# Altium PCB A车主控四层板V1.0.PcbDoc (part 1 of 2) (continued)
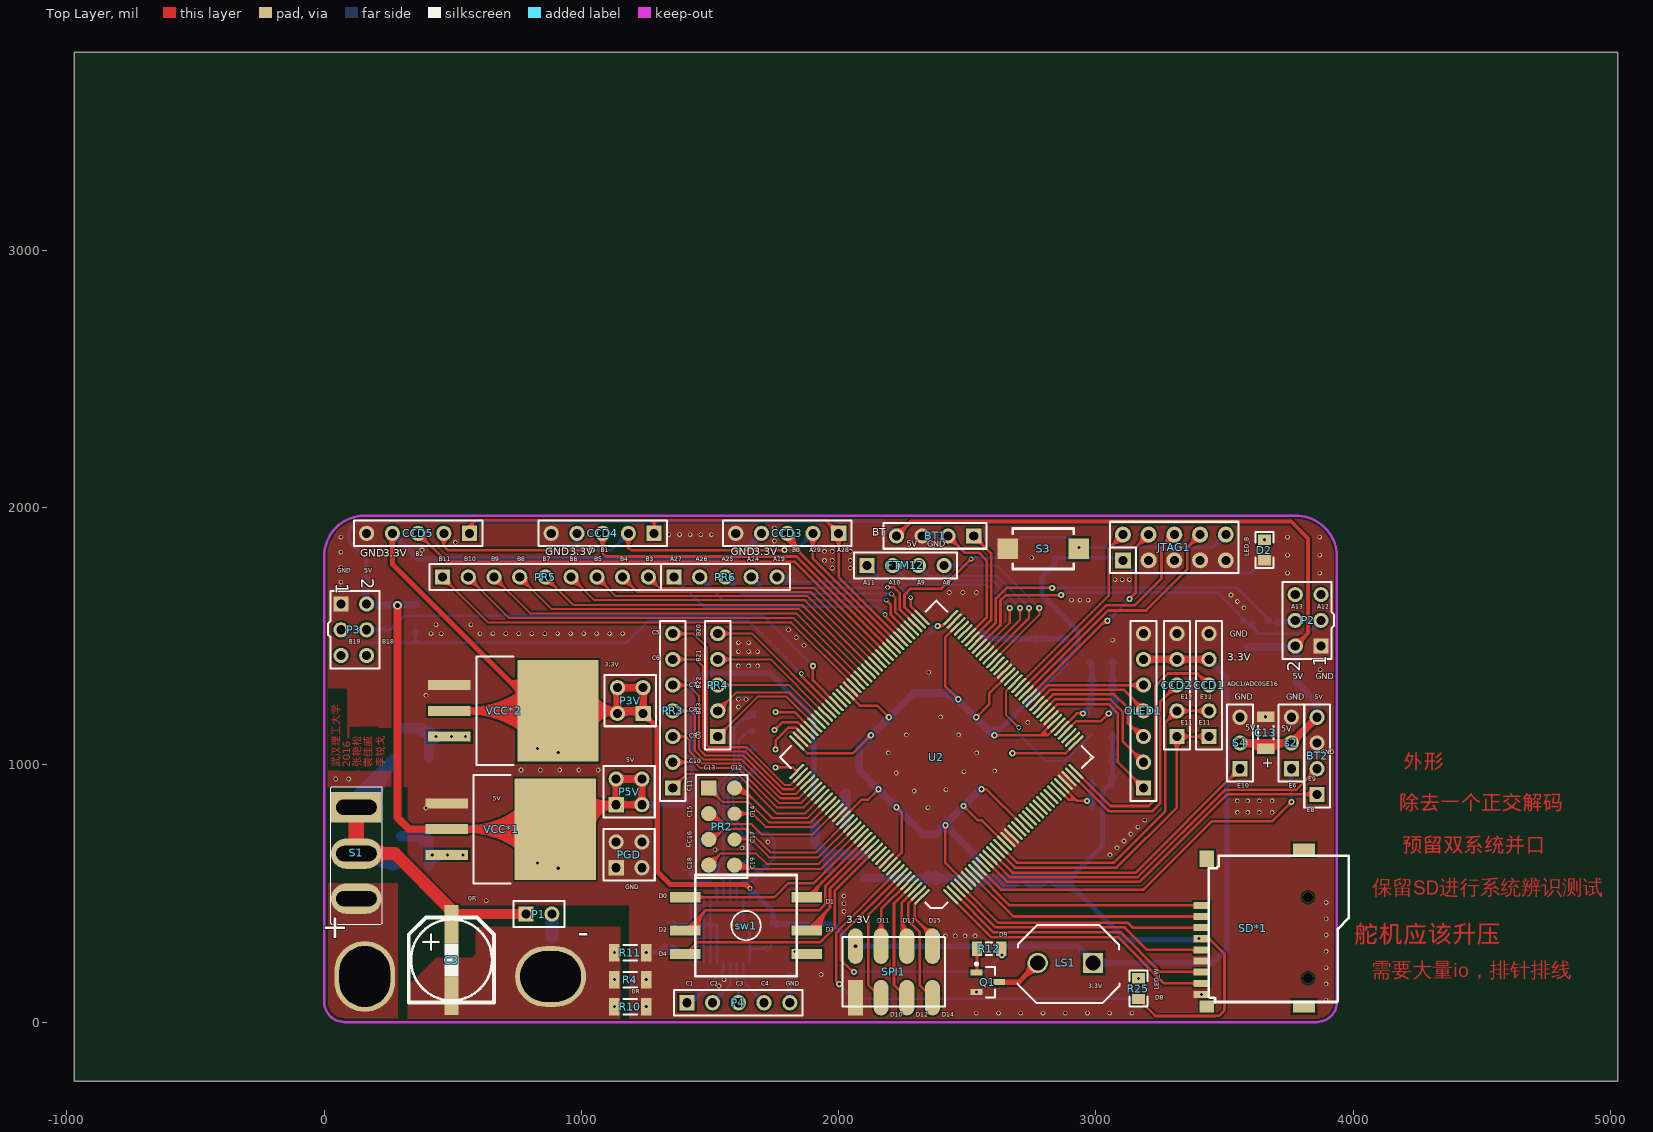
[diagram p0: Top Layer view]
## Nets (pads, with @x,y where several pads share a name; then routed paths per layer and width w, separated by ;. In a path a pad name is that pad's centre, name@x,y a point inside that pad or via, vN(x,y) a via of type N, cw(c..) or ccw(c..) an arc to the next point about the centre after c; other vN are vias at no path point) (continued)
  Bottom Layer w20: CCD5.4@265,1880.47 cw(c265,1833.33) 298.34,1866.66 cw(c331.67,1900) CCD5.4@284.53,1900 ; CCD5.4@265,1900 365,1800 962.5,1800 ; CCD4.4@968.69,1886.19 cw(c935.36,1852.86) 982.5,1852.86 cw(c1029.64,1852.86) CCD4.4@996.31,1886.19 ; CCD4.4@982.5,1900 982.5,1820 ; 1005,1800 1002.5,1800 ; IC1.20@1656.7,496.45 ccw(c1642.24,507.24) v1(1655,520) 1665,510 1745,430 C18.1@1745,386.26 ; CCD3.4@1680.47,1900 cw(c1633.33,1900) 1666.66,1866.66 cw(c1700,1833.33) CCD3.4@1700,1880.47 ; CCD3.4@1700,1900 1600,1800 1002.5,1800 ; C18.1@1740,381.26 1978.74,381.26 v4(2065,295) 2930,295 LS1.1A@2992.01,232.99 ; 1745,413.96 ccw(c1781.55,413.96) 1755.71,388.11 ccw(c1772.24,404.64) 1772.24,381.26 ccw(c1772.24,357.88) C18.1@1755.71,374.41 ; 2934.46,290.54 cw(c2873.83,229.92) LS1.1A@2959.57,229.92 ; 2949.28,275.72 ccw(c2988.94,315.37) LS1.1A@2988.94,259.29 ; LS1.1A@2988.94,229.92 3454.92,229.92 3510,285 3510,1340 CCD1.4@3440,1410 ; LS1.1A@3009.7,209.15 cw(c3059.84,159.02) 3059.84,229.92 cw(c3059.84,300.83) LS1.1A@3009.7,250.69 ; CCD1.4@3440,1390.47 cw(c3440,1343.33) 3473.34,1376.66 cw(c3506.67,1410) CCD1.4@3459.53,1410 ; 962.5,1800 982.5,1820 ; 962.5,1800 982.5,1800 ; 982.5,1800 982.5,1820 ; 982.5,1800 1002.5,1800 ; 982.5,1820 1002.5,1800
  other v1: 910,1047.99 830,1062.76
5V: BT1.4 BT2.4 C1.2 C5.1 C7.2 C8.2 C13.1 IN1.1 P2.2 P3.2 P5V.1 P5V.2 P5V.3 P5V.4 R1.2 R2.1 R7.1 R8.2 s2.2 S4.2 VCC*1.2 VCC*1.4 | length 12509.5
  Top Layer w15: BT1.4@2225,1890 2280.5,1945.5 3759.5,1945.5 3825,1880 3825,1511.68 P2.2@3775,1461.68 ; BT1.4@2225,1912.03 ccw(c2225,1965.21) 2262.6,1927.6 ccw(c2300.21,1890) BT1.4@2247.03,1890 ; P2.2@3775,1483.71 ccw(c3775,1536.88) 3812.6,1499.28 ccw(c3850.21,1461.68) P2.2@3797.03,1461.68
  Top Layer w30: v5(285,1620) 285,795 330,750 VCC*1.2@476.97,750 VCC*1.4@898.23,750 993.23,845 P5V.1@1135,845 ; VCC*1.4@797.48,649.25 ccw(c554.25,406.02) 554.25,750 ccw(c554.25,1093.98) VCC*1.4@797.48,850.75 ; VCC*1.4@818.69,670.46 ccw(c626.68,478.45) 626.68,750 ccw(c626.68,1021.55) VCC*1.4@818.69,829.54 ; VCC*1.4@839.91,691.68 ccw(c699.1,550.87) 699.1,750 ccw(c699.1,949.13) VCC*1.4@839.91,808.32 ; VCC*1.4@979.42,774.82 cw(c1063.29,759.79) 1063.29,845 ; VCC*1.4@998.98,890.12 ccw(c1107.9,999.05) P5V.1@1107.9,845 ; VCC*1.4@1008.95,769.53 cw(c1099.14,753.37) 1099.14,845 ; VCC*1.4@1038.47,764.24 cw(c1134.99,746.94) P5V.1@1135,845 ; P5V.1@1124.73,834.73 ccw(c1099.93,809.93) 1099.93,845 ccw(c1099.93,880.07) 1124.73,855.27 ccw(c1099.93,880.07) 1135,880.07 ccw(c1170.07,880.07) 1145.27,855.27 ccw(c1170.07,880.07) 1170.07,845 ccw(c1170.07,809.93) P5V.1@1145.27,834.73 ; P5V.2@1124.73,934.73 cw(c1099.93,909.93) 1135,909.93 cw(c1170.07,909.93) 1145.27,934.73 cw(c1170.07,909.93) 1170.07,945 cw(c1170.07,980.07) P5V.2@1145.27,955.27 ; P5V.3@1224.73,834.73 ccw(c1199.93,809.93) 1199.93,845 ccw(c1199.93,880.07) 1224.73,855.27 ccw(c1199.93,880.07) 1235,880.07 ccw(c1270.07,880.07) P5V.3@1245.27,855.27 ; P5V.4@1224.73,955.27 cw(c1199.93,980.07) 1199.93,945 cw(c1199.93,909.93) 1224.73,934.73 cw(c1199.93,909.93) 1235,909.93 cw(c1270.07,909.93) P5V.4@1245.27,934.73 ; S4.2@3560,1085 s2.2@3760,1085 BT2.4@3860,1185 ; S4.2@3570.27,1074.73 cw(c3595.07,1049.93) 3595.07,1085 cw(c3595.07,1120.07) S4.2@3570.27,1095.27 ; S4.2@3579.4,1085 cw(c3579.4,996.17) C13.1@3642.21,1058.98 ; 3651.83,1085 cw(c3651.83,1068.6) C13.1@3663.42,1080.2 ; C13.1@3656.58,1080.2 cw(c3668.17,1068.6) 3668.17,1085 ; C13.1@3677.79,1058.98 cw(c3740.6,996.17) s2.2@3740.6,1085 ; s2.2@3749.73,1074.73 ccw(c3724.93,1049.93) 3724.93,1085 ccw(c3724.93,1120.07) s2.2@3749.73,1095.27 ; s2.2@3760,1099.53 ccw(c3760,1134.6) 3784.8,1109.8 ccw(c3809.6,1085) s2.2@3774.53,1085 ; BT2.4@3845.47,1185 cw(c3810.4,1185) 3835.2,1160.2 cw(c3860,1135.4) BT2.4@3860,1170.47 ; P5V.1@1135,845 P5V.3@1235,845 P5V.4@1235,945 P5V.2@1135,945 P5V.1@1135,845
  Bottom Layer w15: C1.2@153.63,1727.47 ccw(c132.83,1748.28) 162.24,1748.28 ccw(c191.66,1748.28) C1.2@170.86,1727.47 ; C1.2@162.24,1710 162.24,1802.76 109.14,1855.86 cw(c143.28,1890) 95,1890 cw(c153,1890) 153,1948 2167,1948 BT1.4@2225,1890 ; BT1.4@2202.97,1890 ccw(c2149.79,1890) 2187.4,1927.6 ccw(c2225,1965.21) BT1.4@2225,1912.03
  Bottom Layer w20: P5V.3@1235,845 1395,845 1430,880 1430,1315 1472.53,1357.53 1732.47,1357.53 1902.99,1187.01 IN1.1@1902.99,890 ; P5V.3@1248.81,831.19 cw(c1282.14,797.86) 1282.14,845 cw(c1282.14,892.14) P5V.3@1248.81,858.81 ; IN1.1@1895.45,911.32 ccw(c1877.23,929.54) 1902.99,929.54 ccw(c1928.75,929.54) IN1.1@1910.54,911.32
  Bottom Layer w30: 162.24,1666.73 ccw(c206.73,1666.73) 175.27,1635.27 ccw(c206.73,1666.73) 206.73,1622.24 ; C1.2@162.24,1710 162.24,1627.76 P3.2@165,1625 167.76,1622.24 R8.2@260,1622.24 R7.1@355,1622.24 ; R1.2@3590,1457.76 R2.1@3685,1457.76 3771.08,1457.76 P2.2@3775,1461.68 3777.76,1458.92 C8.2@3777.76,1370 3777.76,1322.24 3860,1240 BT2.4@3860,1185 ; 3730.46,1457.76 ccw(c3730.46,1506.22) P2.2@3764.73,1471.95 ; P2.2@3764.73,1451.41 cw(c3733.27,1419.95) 3777.76,1419.95 ; BT2.4@3849.73,1195.27 ccw(c3824.93,1220.07) 3860,1220.07 ccw(c3895.07,1220.07) BT2.4@3870.27,1195.27
  other v1: 910,597.99 830,617.76
"ADC0 SE16": CCD1.3 U2.36 | length 1210.8
  Top Layer w10: U2.36@2922.74,974.43 3057.18,840 3205,840 3230,865 3230,1305 3280,1355 3395,1355 CCD1.3@3440,1310 ; CCD1.3@3415.47,1310 ccw(c3356.26,1310) 3398.13,1351.87 ccw(c3440,1393.74) CCD1.3@3440,1334.53 ; CCD1.3@3425.47,1310 ccw(c3390.4,1310) 3415.2,1334.8 ccw(c3440,1359.6) CCD1.3@3440,1324.53
"ADC1 SE16": CCD2.3 U2.35 | length 1046.8
  Top Layer w10: U2.35@2908.83,960.51 3049.34,820 3220,820 3250,850 3250,1245 CCD2.3@3315,1310 ; CCD2.3@3290.47,1310 cw(c3231.26,1310) 3273.13,1268.13 cw(c3315,1226.26) CCD2.3@3315,1285.47 ; CCD2.3@3300.47,1310 cw(c3265.4,1310) 3290.2,1285.2 cw(c3315,1260.4) CCD2.3@3315,1295.47
"BT RXD": BT1.1 U2.66 | length 607.7
  Top Layer w10: U2.66@2519.08,1489.23 2593,1563.15 2593,1822 BT1.1@2525,1890 ; BT1.1@2525,1865.47 cw(c2525,1806.26) 2566.87,1848.13 cw(c2608.74,1890) BT1.1@2549.53,1890 ; BT1.1@2525,1875.47 cw(c2525,1840.4) 2549.8,1865.2 cw(c2574.6,1890) BT1.1@2539.53,1890
"BT TXD": BT1.2 U2.67 | length 658.2
  Top Layer w10: BT1.2@2425,1865.47 cw(c2425,1806.26) 2466.87,1848.13 cw(c2508.74,1890) BT1.2@2449.53,1890 ; BT1.2@2425,1875.47 cw(c2425,1840.4) 2449.8,1865.2 cw(c2474.6,1890) BT1.2@2439.53,1890 ; BT1.2@2425,1890 2490,1825 2545,1825 2575,1795 2575,1572.98 U2.67@2505.16,1503.15
"CCD1 CLK": CCD1.2 CCD2.2 U2.15 | length 1726.1
  Top Layer w10: U2.15@2630.44,682.13 2692.56,620 3070,620 3270,820 3270,1165 CCD2.2@3315,1210 CCD1.2@3440,1210 ; CCD2.2@3290.47,1210 cw(c3231.26,1210) 3273.13,1168.13 cw(c3315,1126.26) CCD2.2@3315,1185.47 ; CCD2.2@3300.47,1210 cw(c3265.4,1210) 3290.2,1185.2 cw(c3315,1160.4) CCD2.2@3315,1195.47 ; CCD2.2@3325.27,1199.73 cw(c3350.07,1174.93) 3350.07,1210 cw(c3350.07,1245.07) CCD2.2@3325.27,1220.27 ; CCD2.2@3332.34,1192.66 cw(c3374.21,1150.79) 3374.21,1210 cw(c3374.21,1269.21) CCD2.2@3332.34,1227.34 ; CCD1.2@3422.66,1192.66 ccw(c3380.79,1150.79) 3380.79,1210 ccw(c3380.79,1269.21) CCD1.2@3422.66,1227.34 ; CCD1.2@3429.73,1199.73 ccw(c3404.93,1174.93) 3404.93,1210 ccw(c3404.93,1245.07) CCD1.2@3429.73,1220.27
"CCD1 SI": CCD1.1 CCD2.1 U2.14 | length 1668.4
  Top Layer w10: U2.14@2616.52,668.21 2684.73,600 3080,600 3315,835 CCD2.1@3315,1110 CCD1.1@3440,1110 ; CCD2.1@3297.66,1092.66 cw(c3255.79,1050.79) 3315,1050.79 cw(c3374.21,1050.79) 3332.34,1092.66 cw(c3374.21,1050.79) 3374.21,1110 cw(c3374.21,1169.21) CCD2.1@3332.34,1127.34 ; CCD2.1@3304.73,1099.73 cw(c3279.93,1074.93) 3315,1074.93 cw(c3350.07,1074.93) 3325.27,1099.73 cw(c3350.07,1074.93) 3350.07,1110 cw(c3350.07,1145.07) CCD2.1@3325.27,1120.27 ; CCD1.1@3422.66,1092.66 ccw(c3380.79,1050.79) 3380.79,1110 ccw(c3380.79,1169.21) CCD1.1@3422.66,1127.34 ; CCD1.1@3429.73,1099.73 ccw(c3404.93,1074.93) 3404.93,1110 ccw(c3404.93,1145.07) CCD1.1@3429.73,1120.27
"CCD3 AD": CCD3.3 U2.81 | length 875.6
  Top Layer w10: CCD3.3@1794.53,1900 ccw(c1842.95,1900) 1808.71,1865.76 ; CCD3.3@1800,1900 1800,1874.47 U2.81@2213.08,1461.39 ; CCD3.3@1804.53,1900 ccw(c1877.1,1900) 1825.78,1848.69 ; CCD3.3@1814.53,1900 ccw(c1911.24,1900) 1842.85,1831.61 ; CCD3.3@1824.53,1900 ccw(c1945.38,1900) 1859.92,1814.54
"CCD4 AD": CCD4.3 U2.82 | length 1497.6
  Top Layer w10: CCD4.3@1065.16,1882.66 cw(c1023.29,1840.79) 1082.5,1840.79 cw(c1141.71,1840.79) CCD4.3@1099.84,1882.66 ; CCD4.3@1072.23,1889.73 cw(c1047.43,1864.93) 1082.5,1864.93 cw(c1117.57,1864.93) CCD4.3@1092.77,1889.73 ; CCD4.3@1082.5,1900 1082.5,1822.5 1095,1810 1836.63,1810 U2.82@2199.16,1447.47
"CCD5 AD": CCD5.3 U2.83 | length 2161.6
  Top Layer w10: CCD5.3@365,1875.47 cw(c365,1816.26) 406.87,1858.13 cw(c448.74,1900) CCD5.3@389.53,1900 ; CCD5.3@365,1885.47 cw(c365,1850.4) 389.8,1875.2 cw(c414.6,1900) CCD5.3@379.53,1900 ; CCD5.3@365,1900 475,1790 1828.79,1790 U2.83@2185.24,1433.55
"CCD CLK": CCD3.2 CCD4.2 CCD5.2 U2.80 | length 2969.3
  Top Layer w10: CCD5.2@449.99,1880.6 cw(c426.31,1850) 465,1850 ; CCD5.2@456.11,1888.51 cw(c442.08,1870.39) 465,1870.39 cw(c487.92,1870.39) CCD5.2@473.89,1888.51 ; CCD5.2@465,1900 465,1850 ; CCD5.2@480.01,1880.6 ccw(c503.69,1850) 465,1850 ; v2@1035.05,1830.05 ccw(c1023.1,1818.1) 1023.1,1835 ccw(c1023.1,1851.9) v2@1035.05,1839.95 ; v2(1040,1835) 480,1835 465,1850 ; CCD4.2@1165.52,1882.3 cw(c1127.37,1842.5) 1182.5,1842.5 ; CCD4.2@1172.45,1889.51 cw(c1149.85,1865.94) 1182.5,1865.94 cw(c1215.15,1865.94) CCD4.2@1192.55,1889.51 ; CCD4.2@1182.5,1900 1182.5,1842.5 ; CCD4.2@1199.48,1882.3 ccw(c1237.63,1842.5) 1182.5,1842.5 ; v2@1785.05,1830.05 ccw(c1773.1,1818.1) 1773.1,1835 ccw(c1773.1,1851.9) v2@1785.05,1839.95 ; v2(1790,1835) 1195,1835 1182.5,1842.5 ; CCD3.2@1882.66,1882.66 cw(c1840.79,1840.79) 1900,1840.79 cw(c1959.21,1840.79) CCD3.2@1917.34,1882.66 ; CCD3.2@1889.73,1889.73 cw(c1864.93,1864.93) 1900,1864.93 cw(c1935.07,1864.93) CCD3.2@1910.27,1889.73 ; CCD3.2@1900,1900 1900,1802.31 U2.80@2227,1475.31
  Bottom Layer w10: v2(1040,1835) 1117.5,1835 CCD4.2@1182.5,1900 ; v2@1044.95,1830.05 cw(c1056.9,1818.1) 1056.9,1835 cw(c1056.9,1851.9) v2@1044.95,1839.95 ; CCD4.2@1157.97,1900 cw(c1098.76,1900) 1140.63,1858.13 cw(c1182.5,1816.26) CCD4.2@1182.5,1875.47 ; CCD4.2@1167.97,1900 cw(c1132.9,1900) 1157.7,1875.2 cw(c1182.5,1850.4) CCD4.2@1182.5,1885.47 ; v2(1790,1835) 1835,1835 CCD3.2@1900,1900 ; v2@1794.95,1830.05 cw(c1806.9,1818.1) 1806.9,1835 cw(c1806.9,1851.9) v2@1794.95,1839.95 ; CCD3.2@1875.47,1900 cw(c1816.26,1900) 1858.13,1858.13 cw(c1900,1816.26) CCD3.2@1900,1875.47 ; CCD3.2@1885.47,1900 cw(c1850.4,1900) 1875.2,1875.2 cw(c1900,1850.4) CCD3.2@1900,1885.47
"CCD SI": CCD3.1 CCD4.1 CCD5.1 U2.79 | length 2550.5
  Top Layer w10: CCD5.1@560.13,1924.04 ccw(c558.92,1930) 565,1930 ; CCD5.1@565,1900 565,1930 ; CCD5.1@568.44,1902.94 cw(c586.25,1918.14) 569.7,1934.7 ; CCD5.1@569.87,1924.04 cw(c571.08,1930) 565,1930 ; CCD5.1@576.05,1909.43 cw(c594.51,1925.19) 577.35,1942.35 ; CCD5.1@583.66,1915.92 cw(c602.76,1932.23) 585,1950 ; CCD4.1@1272.67,1922.47 ccw(c1266.1,1937.5) 1282.5,1937.5 ; CCD4.1@1282.5,1900 1282.5,1937.5 ; CCD4.1@1292.33,1922.47 cw(c1298.9,1937.5) 1282.5,1937.5 ; CCD3.1@1975.47,1900 ccw(c1916.26,1900) 1958.13,1941.87 ccw(c2000,1983.74) CCD3.1@2000,1924.53 ; CCD3.1@1982.66,1882.66 cw(c1940.79,1840.79) 2000,1840.79 cw(c2059.21,1840.79) CCD3.1@2017.34,1882.66 ; CCD3.1@1985.47,1900 ccw(c1950.4,1900) 1975.2,1924.8 ccw(c2000,1949.6) CCD3.1@2000,1914.53 ; CCD3.1@1989.73,1889.73 cw(c1964.93,1864.93) 2000,1864.93 cw(c2035.07,1864.93) CCD3.1@2010.27,1889.73 ; U2.79@2240.92,1489.23 2000,1730.15 CCD3.1@2000,1900 1950,1950 1295,1950 ; 565,1930 585,1950 ; 585,1950 1270,1950 ; 1270,1950 1280,1950 ; 1270,1950 1282.5,1937.5 ; 1280,1950 1295,1950 ; 1280,1950 1282.5,1947.5 1282.5,1937.5 ; 1282.5,1937.5 1295,1950
CE: SPI1.2 U2.139 | length 540.5
  Top Layer w10: SPI1.2@2165,95 2115,145 2115,417.01 U2.139@2254.84,556.85
DAC0: U2.38
DAC1: U2.39
EGND: C3.2 P1.2 pad.2 R4.2 R5.2 R6.2 R9.2 R10.2 R11.2 | length 90
  Bottom Layer w50: 885,330 P1.2@885,420
  other v2: 1127.99,60 1127.99,165 1127.99,270
EZP_CS: R26.2 U2.54 | length 614.9
  Top Layer w8: U2.54@2686.12,1322.2 2650,1286.08 2650,1195 v1(2700,1145)
  Bottom Layer w8: v1@2700,1150 2700,1120 2805,1015 2880,1015 R26.2@2985,1120
GND: BT1.3 BT2.3 C1.1 C4.2 C5.2 C6.1 C7.1 C8.1 C9.2 C10.2 C11.1 C12.1 C13.2 C14.1 C15.1 C16.1 C17.1 C18.2 C19.1 C20.1 C21.1 C22.1 C23.2 C24.1 C25.1 C26.1 C27.1 C28.1 C29.1 C30.1 C31.1 C32.1 C33.1 C34.1 C35.1 C36.1 C37.1 CCD1.5 CCD2.5 CCD3.5 CCD4.5 CCD5.5 D1.1 D2.2 IC1.1 IC1.10 IC1.19 JTAG1.3 JTAG1.5 JTAG1.7 JTAG1.9 OLED1.7 P2.1 P3.1 PGD.1 PGD.2 PGD.3 PGD.4 Q1.2 R3.1 R4.1 R5.1 R6.1 R9.1 R10.1 R11.1 R17.2 R18.2 R19.2 R20.2 R21.1 R22.1 s2.3 S3.1 S4.3 SD*1.6 SD*1.9 SPI1.1 U1.1 U2.6 U2.17 U2.18 U2.33 U2.34 U2.44 U2.57 U2.71 U2.93 U2.107 U2.121 U2.134 VCC*1.1 VCC*2.1 Y1.2 | length 840.4
  Bottom Layer w10: IC1.19@1629.41,478.03 1629.41,375.59 1655,350 1655,295 ; IC1.1@1655,230 1655,275 ; 1691.41,285 ccw(c1691.41,326.5) C18.2@1720.76,297.16 ; 1699.97,285 cw(c1699.97,255.6) C18.2@1720.76,276.39 ; C18.2@1740,297.76 1727.24,285 1665,285 ; 1655,275 1655,285 ; 1655,275 1665,285 ; 1655,285 1665,285 ; 1655,285 1655,295 ; 1655,295 1665,285
  Bottom Layer w20: v1(1252.01,270) 1410,270 ; R9.1@1259.55,262.46 cw(c1277.77,244.24) 1277.77,270 cw(c1277.77,295.76) R9.1@1259.55,277.54 ; R9.1@1265.88,270 ccw(c1265.88,354) R22.1@1325.28,294.6 ; R22.1@1314.16,270 ccw(c1314.16,305.72) R22.1@1339.42,280.46 ; R22.1@1340.25,280.81 ccw(c1364.72,303.1) R22.1@1364.72,270 ; R22.1@1355.03,294.28 ccw(c1410,344.35) 1410,270 ; IC1.10@1423.5,250 1423.5,256.5 1410,270
  other v1: 2535,35 2621.43,35 2707.86,35 2794.29,35 2880.71,35 2967.14,35 3053.57,35 3140,35 1252.01,60 3895,85 3411.24,107.34 2535.71,117.6 1535,140 3895,148.33 1252.01,165 1555,165 1932.01,185 3895,211.67 3895,275 2415,335 2453.33,335 2491.67,335 2530,335 3895,338.33 3895,401.67 2020,430 2020,460 3895,465 630,472.01 2020,490 3055,650 1520,670 1625,677 3082,677 1415,690 1725,700 3109,704 3136,731 3163,758 3190,785 3550,815 3590,815 3635,815 3685,815 395,832.01 2346.59,833.41 3550,860 3590,860 3635,860 3685,860 2293.41,898.41 2416.59,903.41 45,945 95,945 2223.41,968.41 2486.59,973.41 2606.59,976.59 765,980 840,980 915,980 990,980 1065,980 2985,1030 2193.41,1046.59 2536.59,1046.59 2263.41,1116.59 2466.59,1116.59 2735,1165 2396.59,1186.59 3660,1187.01 1610,1225 1610,1255 1640,1255 395,1270 2350,1360 3872.24,1370 1610,1385 1650,1385 1685,1385 1610,1440 1650,1440 1685,1440 1865,1465 1610,1475 1650,1475 3065,1485 1835,1495 415,1510 455,1510 605,1510 655.45,1510 705.91,1510 756.36,1510 806.82,1510 857.27,1510 907.73,1510 958.18,1510 1008.64,1510 1059.09,1510 1109.54,1510 1160,1510 1805,1525 435,1545 570,1545 3575,1610 3550,1635 2905,1640 2937.5,1640 2970,1640 3525,1660 2430,1670 2482.5,1670 2535,1670 65,1710 3075,1720 3102.5,1720 3130,1720 3745,1745 3870,1745 1975,1765 2045,1765 65,1768.33 1945,1795 1975,1795 2045,1795 2750,1805 3745,1815 3870,1815 65,1826.67 1945,1830 1975,1830 2045,1830 380,1835 510,1865 1750,1870 65,1885 3745,1885 3870,1885 1340,1895 1381.25,1895 1422.5,1895 1463.75,1895 1505,1895 1750,1920
IRQ: SPI1.8 U2.144 | length 402.8
  Top Layer w10: 2295,451.19 cw(c2311,451.19) 2299.69,462.51 ccw(c2302.03,455.88) 2295,455.88 ; 2322.68,377.32 cw(c2279.74,334.37) SPI1.8@2340.47,334.37 ; 2324.2,375.8 ccw(c2365,416.59) SPI1.8@2365,358.9 ; U2.144@2324.43,487.25 2295,457.82 2295,405 2365,335 SPI1.8@2365,295 ; 2339.75,360.25 cw(c2313.88,334.37) SPI1.8@2350.47,334.37 ; 2341.28,358.72 ccw(c2365,382.45) SPI1.8@2365,348.9
K3.3V: C14.2 C15.2 C16.2 C19.2 C20.2 C23.1 C29.2 C30.2 C31.2 C32.2 C33.2 C34.2 C35.2 C36.2 C37.2 D1.2 JTAG1.1 L1.1 L2.1 R24.2 R25.2 R26.1 R31.2 SD*1.4 U1.2 U1.4 U2.5 U2.16 U2.21 U2.42 U2.43 U2.56 U2.70 U2.94 U2.108 U2.122 U2.135 | length 10715.5
  Top Layer w10: U2.108@1837.25,1085.57 1877.82,1045 2055,1045 v2(2125,1115) ; U2.122@2018.21,793.48 2089.73,865 2115,865 v2(2155,905) ; U2.94@2032.13,1280.44 2082.56,1230 2150,1230 v2(2195,1185) ; v2@2118,1115 cw(c2101.1,1115) 2113.05,1103.05 cw(c2125,1091.1) v2@2125,1108 ; v2@2148,905 cw(c2131.1,905) 2143.05,893.05 cw(c2155,881.1) v2@2155,898 ; v2@2188,1185 ccw(c2171.1,1185) 2183.05,1196.95 ccw(c2195,1208.9) v2@2195,1192 ; U2.135@2199.16,612.53 2245,658.37 2245,815 v2(2225,835) ; v2@2225,828 cw(c2225,811.1) 2236.95,823.05 cw(c2248.9,835) v2@2232,835 ; v2@2410.05,760.05 cw(c2398.1,748.1) 2415,748.1 cw(c2431.9,748.1) v2@2419.95,760.05 ; v2(2415,765) 2415,619.18 U2.5@2491.24,542.93 ; v2@2458,1255 ccw(c2441.1,1255) 2453.05,1266.95 ccw(c2465,1278.9) v2@2465,1262 ; U2.70@2463.41,1544.91 2415,1496.5 2415,1305 v2(2465,1255) ; v2@2485,833 cw(c2485,816.1) 2496.95,828.05 cw(c2508.9,840) v2@2492,840 ; v2(2485,840) 2540,785 2555.4,785 U2.16@2644.36,696.05 ; v2(2535,1185) 2585,1235 2585,1276.76 U2.56@2658.28,1350.03 ; v2@2535,1192 ccw(c2535,1208.9) 2546.95,1196.95 ccw(c2558.9,1185) v2@2542,1185 ; v2(2555,905) 2574.6,905 U2.21@2713.95,765.64 ; v2@2559.95,900.05 cw(c2571.9,888.1) 2571.9,905 cw(c2571.9,921.9) v2@2559.95,909.95 ; v2(2605,1115) 2785.15,1115 ; v2@2609.95,1110.05 cw(c2621.9,1098.1) 2621.9,1115 cw(c2621.9,1131.9) v2@2609.95,1119.95 ; U2.43@2839.23,1169.08 2795,1124.85 ; U2.42@2853.15,1155.16 2812.99,1115 ; R25.2@3165,90 3231.53,23.47 3463.86,23.47 3465.39,25 3480,25 3500,45 3500,265 3440,325 v2(3400,325) ; 2785.15,1115 2799.07,1115 ; 2785.15,1115 2795,1124.85 ; 2795,1124.85 2799.07,1120.79 2799.07,1115 ; 2795,1124.85 2803.13,1124.85 2812.99,1115 ; 2799.07,1115 2812.99,1115
  Bottom Layer w15: R31.2@2840,1805 C23.1@2995,1805 JTAG1.1@3095,1805 ; JTAG1.1@3105,1795 3155,1745 3605,1745 R24.2@3655,1795
  Bottom Layer w20: 2575.91,1140.91 2576.81,1140 2630,1140 ; C37.2@2603.41,1113.41 v2(2605,1115) 2630,1140 ; R31.2@2840,1805 2840,1780 2790,1730 2790,1660 2930,1520 2930,1455 L2.1@2885,1410 2885,1395 2630,1140 ; 2848.79,1358.79 ccw(c2797.57,1410) L2.1@2870,1410 ; C15.2@2875,520 cw(c2875,423.43) 2943.28,491.72 ; C15.2@2875,540 cw(c2875,491.72) 2909.14,525.86 ; 2875,560 2880,565 2905,565 ; C15.2@2885,530 cw(c2921.21,530) 2895.61,555.61 ; C15.2@2887.5,547.5 2905,565 ; 3039.39,909.39 cw(c3065,883.79) L1.1@3065,920 ; L1.1@3057.93,947.07 ccw(c3040.86,964.14) 3065,964.14 ccw(c3089.14,964.14) L1.1@3072.07,947.07 ; C20.2@3057.93,1017.93 cw(c3040.86,1000.86) 3065,1000.86 cw(c3089.14,1000.86) C20.2@3072.07,1017.93 ; C20.2@3057.93,1042.07 ccw(c3040.86,1059.14) 3065,1059.14 ccw(c3089.14,1059.14) C20.2@3072.07,1042.07 ; R26.1@3057.93,1107.93 cw(c3040.86,1090.86) 3065,1090.86 cw(c3089.14,1090.86) R26.1@3072.07,1107.93 ; R26.1@3065,1120 C20.2@3065,1030 L1.1@3065,935 3025,895 3025,685 2905,565 ; JTAG1.1@3095,1805 JTAG1.1@3105,1795 ; 3383.1,320 ccw(c3383.1,341.9) v2@3398.59,326.41 ; v2@3400,320 3115,320 2905,530 2905,565
  Bottom Layer w30: U1.2@2097.13,560 U1.4@2362.87,560 D1.2@2535,560 ; U1.4@2348.43,545.55 ccw(c2313.54,510.67) 2313.54,560 ccw(c2313.54,609.33) U1.4@2348.43,574.45 ; U1.4@2377.32,545.55 cw(c2412.2,510.67) 2412.2,560 cw(c2412.2,609.33) U1.4@2377.32,574.45 ; 2396.75,1280 cw(c2396.75,1199.28) C31.2@2453.83,1256.36 ; 2464.09,560 cw(c2464.09,484.09) D1.2@2517.77,537.77 ; 2488.24,560 ccw(c2488.24,601.76) 2517.77,572.23 ccw(c2476.17,613.83) 2535,613.83 ccw(c2593.83,613.83) 2552.23,572.23 ccw(c2581.76,601.76) 2581.76,560 ; D1.2@2535,555 D1.2@2535,560 ; D1.2@2551.9,537.44 cw(c2590.05,497.8) 2604.3,550.95 ; D1.2@2552.23,537.77 cw(c2605.91,484.09) 2605.91,560 ; C36.2@2553.41,906.59 C35.2@2483.41,836.59 C19.2@2413.41,766.59 ; D1.2@2570.5,560 cw(c2570.5,445.5) C14.2@2651.46,526.46 ; 2575.91,1140.91 C32.2@2533.41,1183.41 C31.2@2463.41,1253.41 2436.81,1280 2293.19,1280 C29.2@2196.59,1183.41 C30.2@2126.59,1113.41 2080,1066.81 2080,978.19 C33.2@2156.59,901.59 C34.2@2226.59,831.59 2328.19,730 2376.81,730 C19.2@2413.41,766.59 ; 2576.81,1140 C37.2@2603.41,1113.41 ; 2642.93,560 cw(c2642.93,517.93) C14.2@2672.68,547.68 ; C14.2@2647.32,547.68 cw(c2677.07,517.93) 2677.07,560 ; C14.2@2668.54,526.46 cw(c2749.5,445.5) 2749.5,560 ; 2675.5,560 cw(c2675.5,445.5) C16.2@2756.46,526.46 ; 2747.93,560 cw(c2747.93,517.93) C16.2@2777.68,547.68 ; C16.2@2752.32,547.68 cw(c2782.07,517.93) 2782.07,560 ; C16.2@2773.54,526.46 cw(c2854.5,445.5) 2854.5,560 ; 2780.5,560 cw(c2780.5,445.5) C15.2@2861.46,526.46 ; 2852.93,560 cw(c2852.93,517.93) C15.2@2882.68,547.68 ; C15.2@2887.5,547.5 2875,560 D1.2@2535,560 ; C19.2@2413.41,766.59 v2(2415,765) 2535,645 D1.2@2535,560
MISO: SPI1.4 U2.143 | length 462.3
  Top Layer w10: U2.143@2310.51,501.17 2270,460.66 2270,395 2315,350 2315,145 SPI1.4@2365,95
MOSI: SPI1.7 U2.142 | length 436.4
  Top Layer w10: 2245,369.44 ccw(c2300.07,369.44) SPI1.7@2261.13,330.5 ; 2245,393.58 ccw(c2324.21,393.58) SPI1.7@2268.2,337.57 ; 2245,417.73 ccw(c2348.36,417.73) SPI1.7@2275.27,344.64 ; SPI1.7@2265,295 2245,315 2245,463.5 U2.142@2296.6,515.09
NetC4_1: C4.1 C6.2 F1.2 VCC*1.3 | length 517.6
  Bottom Layer w40: C6.2@300,722.76 C4.1@395,722.76 ; 343.96,722.76 cw(c343.96,670.73) C4.1@380.75,707.52 ; C4.1@395,707.99 407.01,707.99 F1.2@407.01,610 ; F1.2@407.01,637.95 cw(c432.05,637.95) v2@414.34,655.66 ; 407.01,662.05 ccw(c432.05,662.05) F1.2@414.34,644.34 ; F1.2@407.48,623.31 cw(c471.93,558.86) v2@471.93,650 ; F1.2@415.87,643.15 ccw(c427.93,663.16) 433.55,640.48 ; F1.2@416.6,630.04 ccw(c399.6,653.08) v2@427.91,648.81 ; v2(420,650) v2(480,650) v2(540,650)
NetC9_1: C9.1 C11.2 F2.2 VCC*2.3 | length 671.6
  Bottom Layer w40: C11.2@300,1142.76 380.24,1142.76 C9.1@395,1127.99 C9.1@407.01,1115.98 ; 343.96,1142.76 cw(c343.96,1090.73) C9.1@380.75,1127.52 ; F2.2@407.01,1030 C9.1@407.01,1115.98 ; F2.2@407.01,1061.73 cw(c483.27,1061.73) C9.1@429.34,1115.66 ; C9.1@409.25,1128.47 ccw(c453.83,1173.04) 453.83,1110 ; v2@435.95,1102.06 cw(c432.64,1129.65) C9.1@412.99,1110 ; v2(550,1110) v2(435,1110) ; C9.1@407.01,1115.98 C9.1@412.99,1110 ; C9.1@411.09,1111.91 ccw(c435,1135.82) v2@435,1102 ; C9.1@411.09,1111.91 ccw(c435,1135.82) v2@435,1102 ; C9.1@411.09,1111.91 ccw(c435,1135.82) v2@435,1102 ; C9.1@412.99,1110 v2(435,1110) ; v2(435,1110) cw(c435,1137.08) 409.41,1128.21 ccw(c435,1137.08) v2(435,1110)
  other v2: 495,1110
NetC21_2: C21.2 L1.2 U2.31 U2.32 | length 511.3
  Top Layer w10: U2.31@2853.15,904.84 2892.98,865 2900.82,865 ; U2.32@2867.07,918.76 2910.82,875 ; 2920.82,865 2900.82,865 ; v2@2960.05,855.05 ccw(c2948.1,843.1) 2948.1,860 ccw(c2948.1,876.9) v2@2960.05,864.95 ; v2(2965,860) 2925.82,860 2910.82,875 ; 2900.82,865 2910.82,875
  Bottom Layer w20: v2@2963.59,861.41 ccw(c2911.89,913.11) L1.2@2985,913.11 ; v2@2964.51,858.06 cw(c2957.82,831.72) C21.2@2985,831.72 ; C21.2@2977.93,852.07 ccw(c2960.86,869.14) 2985,869.14 ccw(c3009.14,869.14) C21.2@2992.07,852.07 ; L1.2@2977.93,922.93 cw(c2960.86,905.86) 2985,905.86 cw(c3009.14,905.86) L1.2@2992.07,922.93 ; C21.2@2985,840 L1.2@2985,935
NetC22_2: C22.2 U2.37 | length 291.1
  Top Layer w10: v2(2675,1045) 2882.18,1045 U2.37@2922.75,1085.57 ; v2@2679.95,1040.05 cw(c2691.9,1028.1) 2691.9,1045 cw(c2691.9,1061.9) v2@2679.95,1049.95
NetC25_2: C25.2 C26.2 L2.2 Y1.4 | length 597.6
  Bottom Layer w20: Y1.4@2550,1510 2570,1490 C25.2@2670,1490 C26.2@2780,1490 L2.2@2885,1490 ; Y1.4@2564.14,1514.14 ccw(c2622.43,1572.43) 2622.43,1490 ; C25.2@2657.93,1482.93 ccw(c2640.86,1465.86) 2640.86,1490 ccw(c2640.86,1514.14) C25.2@2657.93,1497.07 ; C25.2@2682.07,1482.93 cw(c2699.14,1465.86) 2699.14,1490 cw(c2699.14,1514.14) C25.2@2682.07,1497.07 ; C26.2@2767.93,1482.93 ccw(c2750.86,1465.86) 2750.86,1490 ccw(c2750.86,1514.14) C26.2@2767.93,1497.07 ; C26.2@2792.07,1482.93 cw(c2809.14,1465.86) 2809.14,1490 cw(c2809.14,1514.14) C26.2@2792.07,1497.07 ; L2.2@2872.93,1482.93 ccw(c2855.86,1465.86) 2855.86,1490 ccw(c2855.86,1514.14) L2.2@2872.93,1497.07
NetC27_2: C27.2 R32.1 U2.40 Y2.1 | length 626
  Top Layer w10: U2.40@2880.99,1127.32 2923.66,1170 3020,1170 v2(3050,1200) ; v2@3043,1200 cw(c3026.1,1200) 3038.05,1188.05 cw(c3050,1176.1) v2@3050,1193
  Bottom Layer w20: R32.1@3057.93,1302.93 cw(c3040.86,1285.86) 3065,1285.86 cw(c3089.14,1285.86) R32.1@3072.07,1302.93 ; R32.1@3057.93,1327.07 ccw(c3040.86,1344.14) 3065,1344.14 ccw(c3089.14,1344.14) R32.1@3072.07,1327.07 ; C27.2@3057.93,1397.93 cw(c3040.86,1380.86) 3065,1380.86 cw(c3089.14,1380.86) C27.2@3072.07,1397.93 ; R32.1@3065,1290.65 ccw(c3124.9,1290.65) Y2.1@3082.54,1248.29 ; C27.2@3065,1405 R32.1@3065,1315 3065,1235 Y2.1@3075,1225 v2(3050,1200) cw(c3059.68,1190.32) Y2.1@3068.29,1200.96
NetC28_2: C28.2 R32.2 U2.41 Y2.2 | length 532.8
  Top Layer w10: U2.41@2867.07,1141.24 2925.82,1200 v2(2950,1200) ; v2@2945.05,1195.05 ccw(c2933.1,1183.1) 2933.1,1200 ccw(c2933.1,1216.9) v2@2945.05,1204.95
  Bottom Layer w20: Y2.2@2967.46,1248.29 ccw(c2925.1,1290.65) R32.2@2985,1290.65 ; Y2.2@2968.29,1200.96 ccw(c2959.68,1190.32) v2(2950,1200) Y2.2@2975,1225 2985,1235 R32.2@2985,1315 2985,1395 C28.2@2975,1405 ; C28.2@2972.93,1397.93 cw(c2943.79,1368.79) 2985,1368.79 ; R32.2@2977.93,1302.93 cw(c2960.86,1285.86) 2985,1285.86 cw(c3009.14,1285.86) R32.2@2992.07,1302.93 ; R32.2@2977.93,1327.07 ccw(c2960.86,1344.14) 2985,1344.14 ccw(c3009.14,1344.14) R32.2@2992.07,1327.07
NetD2_1: D2.1 R24.1
  other v1: 3655,1875
NetD3_1: D3.1 R25.1
  other v2: 3165,170
NetF3_2: F3.2 IN1.2 | length 122.1
  Bottom Layer w30: F3.2@2027.01,775 F3.2@2032.01,770
  Bottom Layer w40: F3.2@2027.01,775 IN1.2@2027.01,890
NetIC1_2: IC1.2 P4.4 | length 336.5
  Bottom Layer w10: IC1.2@1629.41,230 1629.41,155.59 P4.4@1710,75 ; P4.4@1685.47,75 ccw(c1626.26,75) 1668.13,116.87 ccw(c1710,158.74) P4.4@1710,99.53 ; P4.4@1695.47,75 ccw(c1660.4,75) 1685.2,99.8 ccw(c1710,124.6) P4.4@1710,89.53
NetIC1_3: IC1.3 P4.3 | length 215.5
  Bottom Layer w10: P4.3@1596.71,95.61 ccw(c1580.99,120) 1610,120 ; IC1.3@1603.82,230 1603.82,126.18 1610,120 ; P4.3@1610,75 1610,120 ; P4.3@1623.29,95.61 cw(c1639.01,120) 1610,120
NetIC1_4: IC1.4 P4.2 | length 331.4
  Bottom Layer w10: P4.2@1510,75 1578.23,143.23 IC1.4@1578.23,230 ; P4.2@1510,89.53 ccw(c1510,124.6) 1534.8,99.8 ccw(c1559.6,75) P4.2@1524.53,75 ; P4.2@1510,99.53 ccw(c1510,158.74) 1551.87,116.87 ccw(c1593.74,75) P4.2@1534.53,75
NetIC1_5: IC1.5 P4.1 | length 451.7
  Bottom Layer w10: P4.1@1410,75 1430,75 1552.64,197.64 IC1.5@1552.64,230 ; P4.1@1410,79.53 ccw(c1410,138.74) 1451.87,96.87 ; P4.1@1410,89.53 ccw(c1410,172.88) 1468.94,113.94 ; P4.1@1410,99.53 ccw(c1410,207.03) 1486.01,131.01 ; 1538.77,183.77 ccw(c1512.22,210.32) IC1.5@1549.76,210.32